# Altium PCB AIM2 REVB.PcbDoc (part 2 of 4)
Units mil, origin at the board's own origin, x right, y up, seen from the top; angles counter-clockwise.
Board outline 3797.01 x 3628.62 mil, 8 copper layers (TOP Copper, Internal Plane 2, Inner Layer 1, Internal Plane 4, Internal Plane 3, Inner Layer 2, Internal Plane 1, BOT Copper), stack 61.4 mil thick; 240 components, 185 nets, 1122 pads, 620 vias.
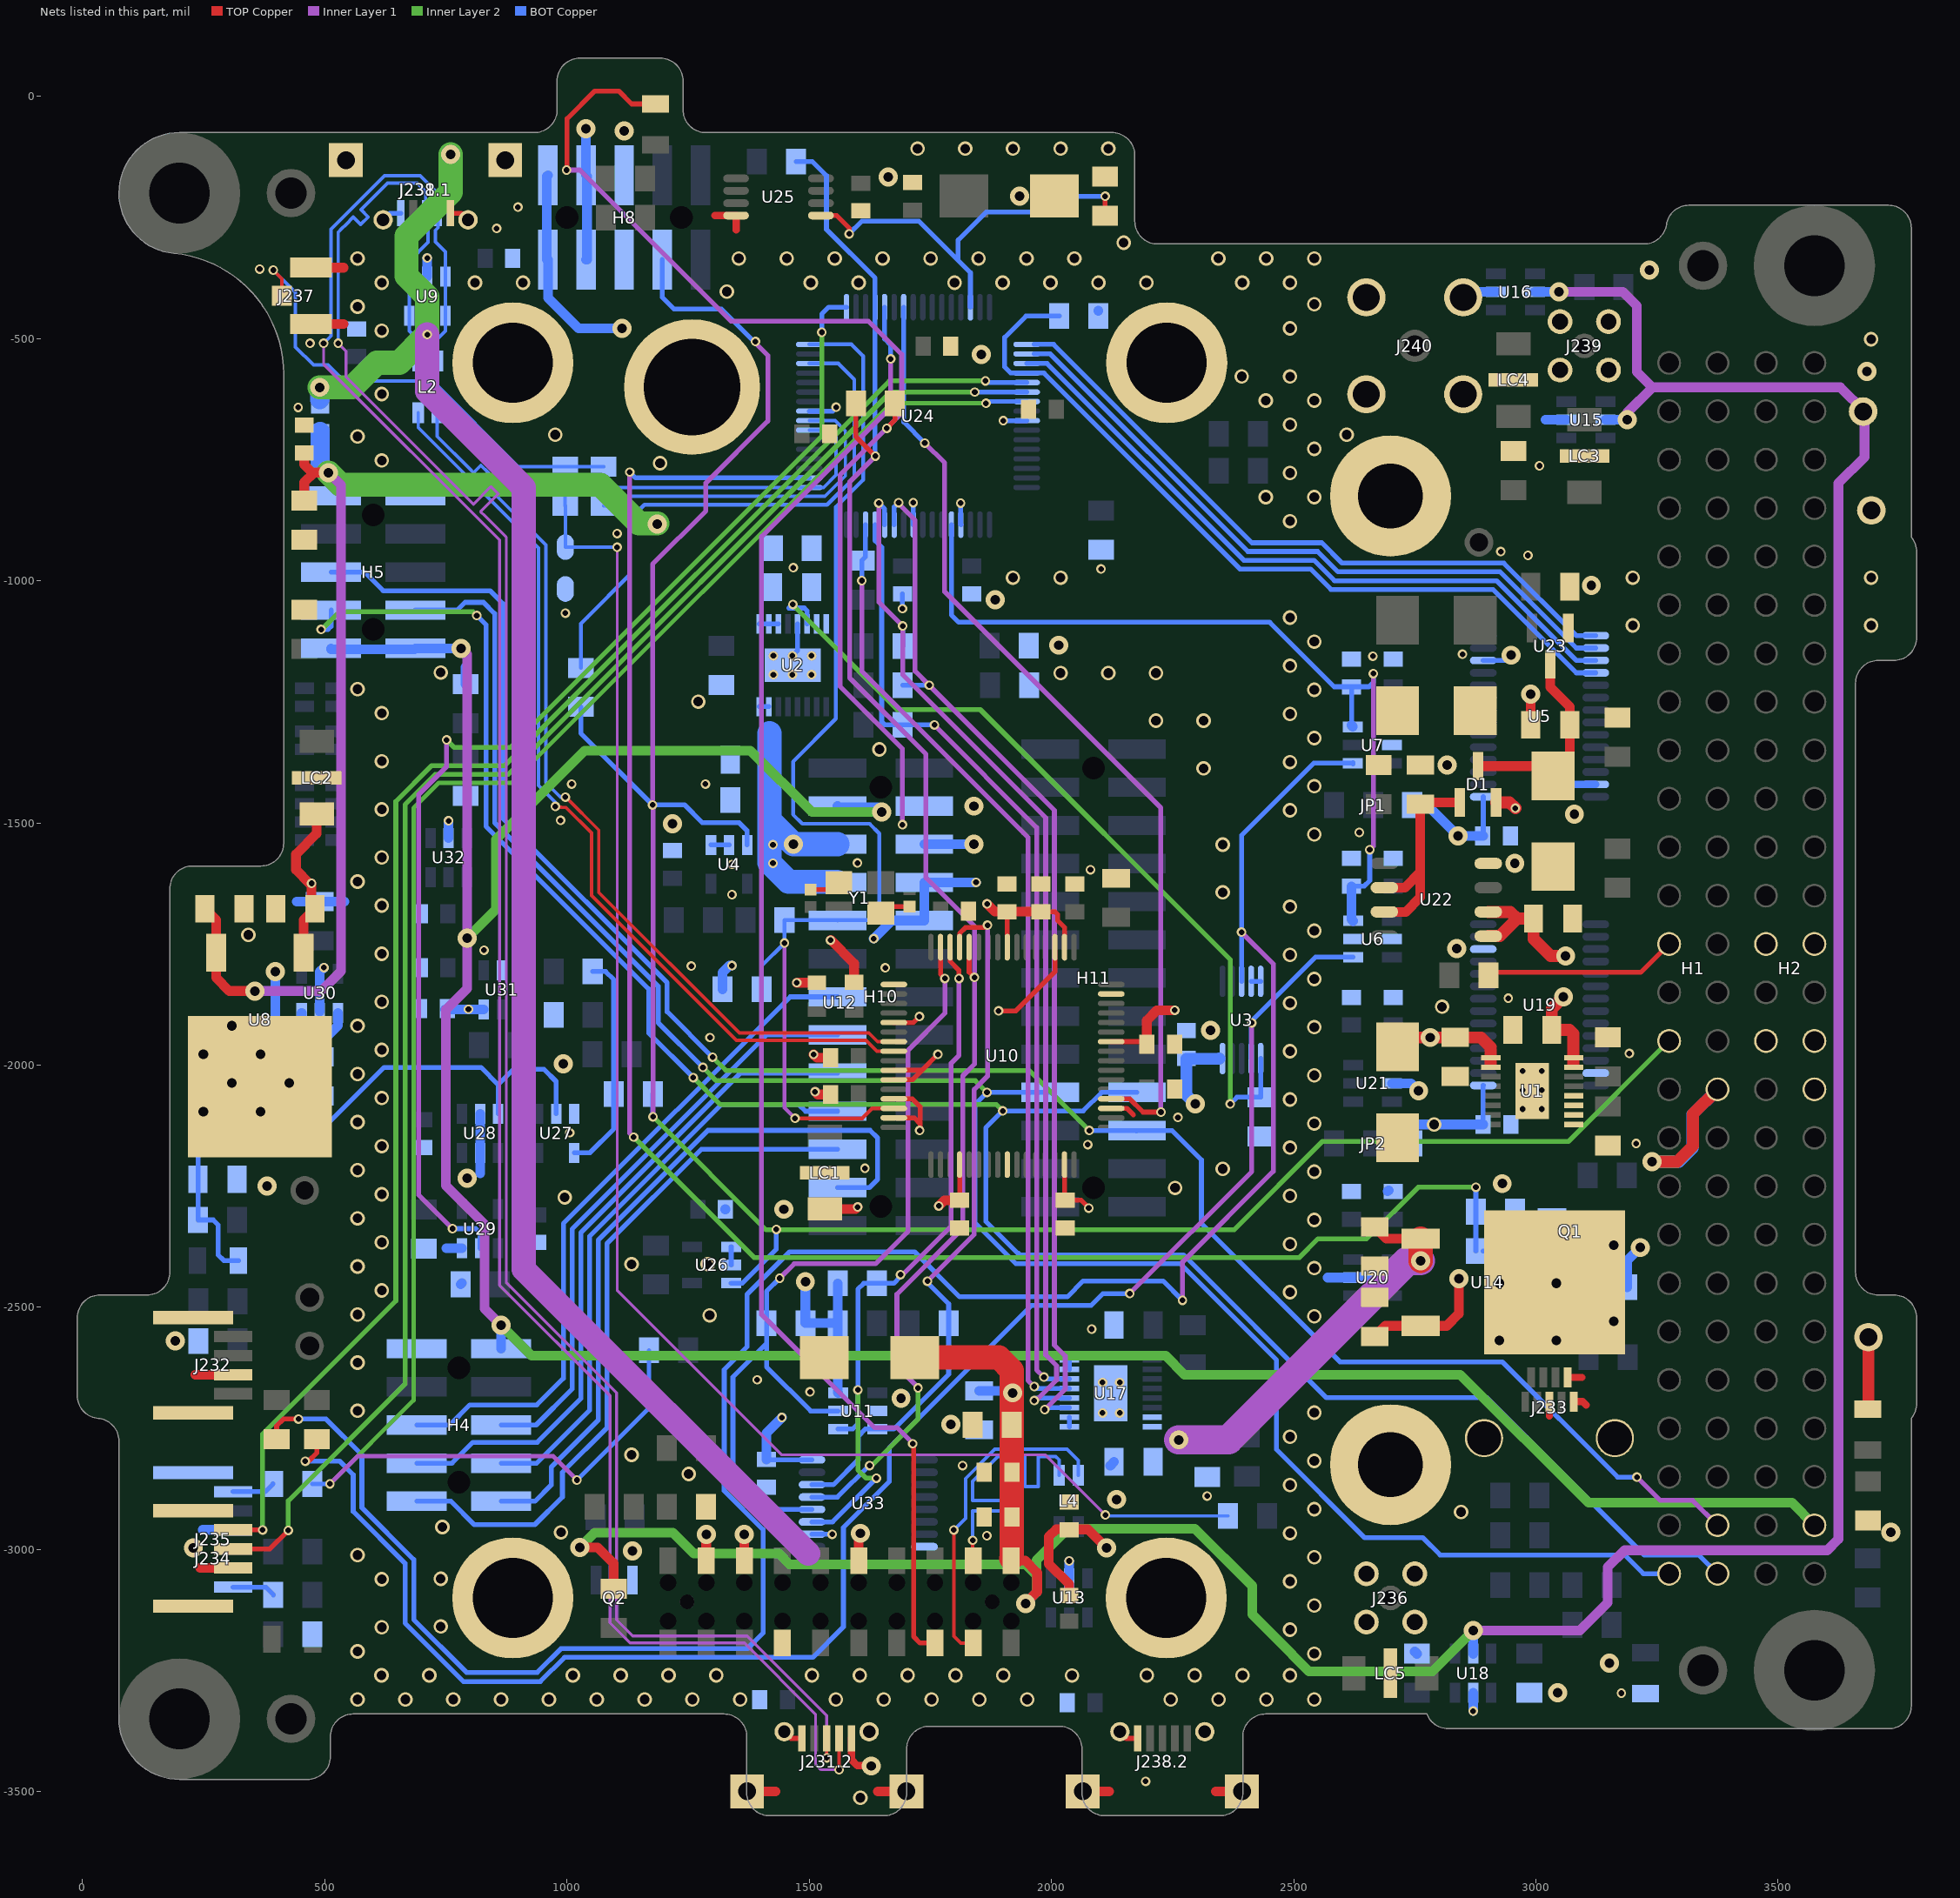
[diagram p8: the nets of this part, all layers, seen from the top]

## Via types
v1: diameter 19.68, hole 11.81, TOP Copper to BOT Copper, tented both sides, 337 vias
v2: diameter 30, hole 20, TOP Copper to BOT Copper, tented bottom, 144 vias
v3: diameter 39.37, hole 19.68, TOP Copper to BOT Copper, tented both sides, 83 vias
v4: diameter 30, hole 20, TOP Copper to BOT Copper, tented both sides, 56 vias

## Nets (pads, with @x,y where several pads share a name; then routed paths per layer and width w, separated by ;. In a path a pad name is that pad's centre, name@x,y a point inside that pad or via, vN(x,y) a via of type N, cw(c..) or ccw(c..) an arc to the next point about the centre after c; other vN are vias at no path point)
3V3_ADCS_USB: C14.2 C20.2 C21.2 C22.2 C23.2 C26.2 C28.2 C63.2 LC1.1 LC2.1 LED6.2 R26.2 R27.2 R28.1 R79.2 R82.2 U8.1 U10.20 U10.31 U10.42 U10.50 U10.56 U11.6 U33.10 U33.16 | length 4142.8
  TOP Copper w10: v1@1000.08,-152 1000.08,-45.92 1057,11 1107,11 1133.5,-15.5 LED6.2@1182.5,-15.5 ; v1(1660,-685) 1676.86,-668.14 R79.2@1676.86,-633.62 ; U10.20@1810.39,-2205.44 1810.39,-2279.16 C26.2@1810.5,-2279.27 ; C22.2@1908.5,-1683.2 1908.82,-1683.2 U10.56@1908.82,-1756.62 ; C23.2@1978.5,-1683.2 2007.08,-1683.2 2012.5,-1688.62 2012.5,-1700.98 2026.93,-1715.41 U10.50@2026.93,-1756.62 ; U10.31@2026.93,-2205.44 2026.93,-2283.69 C20.2@2031.58,-2279.05 ; C20.2@2028.5,-2279.05 C20.2@2031.58,-2279.05 ; C20.2@2032,-2278.62 C20.2@2031.58,-2279.05 ; v1(2077,-2295) 2077,-2294.58 2061.46,-2279.05 C20.2@2031.58,-2279.05 ; U10.42@2123.39,-1951.5 2196.93,-1951.5 C21.2@2202.27,-1951.5
  TOP Copper w20: U8.1@456,-1768 456,-1700.35 C14.2@479.35,-1677 472.5,-1670.15 v1(472.5,-1624.62) 468.13,-1624.62 440.5,-1597 440.5,-1564.62 483.32,-1521.81 LC2.1@483.32,-1481.62 ; LC1.1@1532,-2297 1596,-2297 v1(1600,-2293) ; v1(1767.5,-2290.62) 1778.97,-2279.16 C26.2@1810.39,-2279.16 ; v1(1867,-1667) 1883.2,-1683.2 C22.2@1908.5,-1683.2 ; C22.2@1908.82,-1683.2 C23.2@1978.5,-1683.2 ; C21.2@2196.93,-1956.62 2196.93,-1951.5 2196.93,-1907.2 2217.5,-1886.62 v1(2254.5,-1886.62)
  Inner Layer 1 w10: v1(999,-152) 1026.38,-152 1338.53,-464.16 1622.46,-464.16 1690.84,-532.54 1690.84,-654.28 1563.5,-781.62 1563.5,-1218.08 1692.5,-1347.08 v1@1692.5,-1502.62
  BOT Copper w10: C63.2@1411.5,-2814.05 1412.51,-2815.05 U33.16@1505.72,-2815.05 ; U33.10@1505.72,-2968.6 v1(1547.48,-2968.6)
  BOT Copper w20: R82.2@1321.15,-1843.62 1321.15,-1808.98 1335.5,-1794.62 v1(1340.5,-1794.62) ; C63.2@1411.5,-2814.05 1411.5,-2759.62 v1(1443.5,-2727.62) ; v3(1492,-2447) 1492,-2532.12 R26.2@1492.5,-2532.62 R28.1@1559.15,-2532.62 ; R27.2@1559.15,-2450.62 R28.1@1559.15,-2532.62 ; U11.6@1559.5,-2676.62 1558.65,-2675.77 C28.2@1558.65,-2606.62 1558.65,-2533.12 R28.1@1559.15,-2532.62
  other v1: 1692.5,-1503.62
3V3_GPS: C31.1 C32.2 C33.2 C39.2 R31.2 R32.2 TP42.1 U12.2 U15.5 U16.5 U17.9 U17.10 U17.15 U17.16 U18.5 | length 7466.7
  TOP Copper w20: v3(1026.5,-2995.62) 1063.5,-2995.62 1096.5,-3028.62 R32.2@1096.5,-3080.84 ; U12.2@1916.92,-3023.06 1945.94,-3023.06 1970.5,-3047.62 1970.5,-3087.62 v3(1946.5,-3111.62)
  TOP Copper w50: C31.1@1715,-2603.62 C31.1@1718.01,-2603.62 1891.5,-2603.62 1918.26,-2630.38 R31.2@1918.26,-2742.62 ; U12.2@1916.92,-3018.68 1917.86,-3017.75 R31.2@1917.86,-2742.62
  Inner Layer 1 w20: v3(2870.5,-3167.62) 3090.5,-3167.62 3148.5,-3109.62 3148.5,-3036.62 3183.5,-3001.62 3601.5,-3001.62 3624.5,-2978.62 3624.5,-798.62 3678.5,-744.62 3678.5,-650.62 3628.5,-600.62 3240.5,-600.62 ; v3(3047.5,-403.62) 3179.5,-403.62 3208.5,-432.62 3208.5,-568.62 3240.5,-600.62 ; v3(3188.5,-667.62) 3188.5,-652.62 3240.5,-600.62
  Inner Layer 2 w20: v3(1026.5,-2995.62) 1056.79,-2965.34 1218.22,-2965.34 1261.5,-3008.62 1437.5,-3008.62 1459.5,-3030.62 1946.5,-3030.62 1969.5,-3053.62 ; v3(1946.5,-3111.62) 1969.5,-3088.62 1969.5,-3053.62 ; v3(2870.5,-3167.62) 2786.5,-3251.62 2531.5,-3251.62 2497.5,-3217.62 2497.5,-3217.04 2414.5,-3134.04 2414.5,-3075.27 2296.23,-2957 2034.13,-2957 1969.5,-3021.62 1969.5,-3053.62
  BOT Copper w10: U17.9@2037.07,-2746.52 U17.10@2037.07,-2726.83 ; U17.15@2037.07,-2628.41 U17.16@2037.07,-2608.72
  BOT Copper w20: C39.2@1850.5,-2672.27 1915.15,-2672.27 v3(1919.5,-2676.62) ; U18.5@2870.5,-3215.27 v3(2870.5,-3167.62) ; U16.5@2997.86,-403.62 v3(3047.5,-403.62) ; U15.5@3143.86,-667.62 v3(3188.5,-667.62)
3V3_GPS_USB: C36.2 C37.2 U14.1 U17.7 U17.8 | length 803
  TOP Copper w20: C36.2@2667.5,-2334.27 2691.24,-2358 U14.1@2762,-2358
  TOP Copper w50: v3(2762,-2404.13) U14.1@2762,-2358
  Inner Layer 1 w60: v3(2262.5,-2773.62) 2365.38,-2773.62 2734.87,-2404.13 v3(2762,-2404.13)
5V_IN: C47.1 C50.2 D1.3 U23.3 | length 424.9
  TOP Copper w20: D1.3@2880.5,-1382.62 3015.01,-1382.62 C47.1@3035.5,-1403.12 3069.86,-1368.76 C50.2@3069.86,-1297.22 3069.86,-1259.98 3029.5,-1219.62 U23.3@3029.5,-1172.62
5V_LIM: C46.2 D1.1 U22.6 U22.7 | length 450
  TOP Copper w20: U22.7@2687.22,-1683.62 2731.5,-1683.62 2761.5,-1653.62 2761.5,-1601.62 ; U22.6@2687.22,-1633.62 2729.5,-1633.62 2761.5,-1601.62 ; D1.1@2843.1,-1457.42 2765.06,-1457.42 C46.2@2761.5,-1460.98 2761.5,-1601.62
+3.3V_ADCS: H2.50 H4.1 H5.1 H5.2 H10.4 | length 5921.7
  Inner Layer 1 w20: v3(781.5,-1139.62) 793.5,-1151.62 v3(793.5,-1737.62) 793.5,-1841.62 749.5,-1885.62 749.5,-2248.5 830,-2329 830,-2503.12 v3(864,-2537.12)
  Inner Layer 2 w20: v3(793.5,-1737.62) 853,-1678.13 853,-1533.94 1036.32,-1350.62 1378.62,-1350.62 1505.62,-1477.62 v3(1649.5,-1477.62) ; v3(864,-2537.12) 926.88,-2600 2235.88,-2600 2274.88,-2639 2843.88,-2639 3108.5,-2903.62 3528.62,-2903.62 H2.50@3575,-2950
  BOT Copper w20: H5.1@513,-1139.48 513,-1141.54 684.94,-1141.54 H5.2@687,-1139.48 v3@783.36,-1139.48 ; H4.1@864,-2585.52 v3(864,-2537.12) ; H10.4@1558.5,-1465.3 1558.5,-1467.35 1641.24,-1467.35 v3@1649.5,-1475.62
+5V_ADCS_USB: C2.2 C4.2 C13.2 L1.1 R8.2 R13.2 R76.2 U2.1 U2.2 U2.3 U2.6 U3.6 U8.3 | length 4198.1
  TOP Copper w20: C13.2@252.65,-1677 275.69,-1700.04 U8.3@275.69,-1768 275.69,-1819.68 303,-1847 v3(356,-1847) ; R76.2@457.5,-834.27 457.5,-796.62 477.5,-776.62 ; C2.2@457.5,-736.2 457.5,-759.62 474.5,-776.62 477.5,-776.62 ; v3(507.5,-776.62) 477.5,-776.62
  Inner Layer 1 w20: v3(356,-1847) 492.13,-1847 533.35,-1805.78 533.35,-802.46 v3(507.5,-776.62)
  Inner Layer 2 w10: v1@1467.94,-1047.06 1467.94,-1051.94 1682,-1266 1852.93,-1266 2369,-1782.07 v1(2369,-2080.13)
  Inner Layer 2 w50: v3(507.5,-776.62) 532.5,-801.62 1068.5,-801.62 1148.45,-881.57 v3@1186.05,-881.57
  BOT Copper w10: U2.1@1396.94,-1089.13 U2.2@1416.63,-1089.13 U2.3@1436.31,-1089.13 ; 1458,-1056.25 1489.71,-1056.25 1495.37,-1061.91 U2.6@1495.37,-1089.13 ; v1(2369,-2080.13) 2382.86,-2066.27 R13.2@2431.5,-2066.27 2431.87,-2065.9 U3.6@2431.87,-1986.35
  BOT Copper w40: L1.1@490.5,-692.2 490.5,-759.4 v3@506.97,-775.87
  other v1: 1466,-1049
  other v3: 1186.5,-882.62
+5V_SW: C3.2 C5.2 C7.2 C27.1 H10.6 H10.8 LED5.2 R2.2 TP60.1 U1.9 U1.10 U2.15 U2.16 U3.10 | length 1166.9
  TOP Copper w25: C27.1@2714.5,-1962.58 2734.08,-1943 v3(2782,-1943) 2887,-1943 2907,-1963 2907,-1997.57 ; LED5.2@3686.5,-2710.62 TP60.1@3686.5,-2561.62
  BOT Copper w10: U2.16@1396.94,-1260 U2.15@1416.63,-1260
  BOT Copper w25: H10.8@1557.34,-1621.62 H10.8@1558.5,-1622.78 ; v3(2297,-2080) 2278.5,-2061.5 2278.5,-1986.98 2345.94,-1986.98 2346.57,-1986.35
  BOT Copper w50: 1417.86,-1315 C5.2@1417.86,-1369.62 R2.2@1417.86,-1452.62 1417.86,-1494.39 ; H10.8@1557.34,-1621.62 1457.5,-1621.62 1417.86,-1581.98 1417.86,-1494.39 ; H10.6@1558.5,-1544.04 v3(1467.5,-1544.04) 1417.86,-1494.39
  other v1: 1425,-1583 1425,-1545
+5V_SYS: C1.2 C12.2 C44.2 C45.2 C66.2 C67.1 H2.25 H2.26 H8.1 H8.2 JP1.3 JP2.3 R1.2 U1.7 U1.8 U5.1 U19.1 U22.1 U22.2 U30.1 U30.3 U31.6 | length 2051.8
  TOP Copper w25: U22.1@2901.79,-1733.62 2925.5,-1733.62 2961.5,-1697.62 ; U22.2@2901.79,-1683.62 2947.5,-1683.62 2961.5,-1697.62 ; v3(3057,-1859) 3032.86,-1883.14 C1.2@3032.86,-1927 3069,-1927 3077,-1935 3077,-1997.57 ; v3(3061.5,-1774.62) 3030.5,-1774.62 2995.15,-1739.27 C45.2@2995.15,-1697.62 2961.5,-1697.62
  BOT Copper w10: C44.2@2891.15,-2122.62 2891.15,-2042.17 U19.1@2891.36,-2041.96 ; C12.2@2891.15,-1526.62 2891.36,-1526.41 U5.1@2891.36,-1445.96
  BOT Copper w20: v3@397.5,-1803.62 v3(397.5,-1806.62) 397.5,-1951.62 429.15,-1983.27 C67.1@489.5,-1983.27 ; U30.3@452.1,-1891.98 452.1,-1918.22 489.5,-1955.62 ; C67.1@493.44,-1983.27 C67.1@489.5,-1983.27 ; U30.1@526.91,-1891.98 526.91,-1918.22 489.5,-1955.62 ; C66.2@748.5,-1885.33 748.86,-1884.98 U31.6@828.1,-1884.98 ; H8.1@960.52,-163 958.46,-165.06 958.46,-337 H8.2@960.52,-337 960.52,-415.64 1023.5,-478.62 v3(1113.5,-478.62) ; JP2.3@2744.21,-2161.62 JP2.3@2744.57,-2161.62 2744.57,-2131.43 2753.38,-2122.62 v4(2790,-2122.62) C44.2@2890.93,-2122.62 C44.2@2891.15,-2122.62 ; JP1.3@2744.21,-1463.09 JP1.3@2744.57,-1463.09 2775.97,-1463.09 v3(2839.5,-1526.62) C12.2@2889.93,-1526.62 C12.2@2891.15,-1526.62 ; R1.2@3188.86,-2458.62 3188.86,-2403.27 v3(3215.5,-2376.62) v3@3216.5,-2375.62 ; C67.1@489.5,-1983.27 489.5,-1955.62
  other v1: 796.5,-1884.62
  other v3: 3151.5,-3234.62 3683.5,-567.62 3234.5,-358.62
+5V_USB: C34.2 C35.2 D1.2 H1.32 H8.3 H8.4 L3.1 U14.3 | length 1337.8
  TOP Copper w20: L3.1@2036.5,-3094.62 2036.5,-3071.62 1994.5,-3029.62 1994.5,-2973.62 2010.15,-2957.98 2055.5,-2957.98 2055.99,-2958.46 2075.35,-2958.46 v3(2113.5,-2996.62) ; C35.2@2667.5,-2559.98 2689.17,-2538.32 U14.3@2762,-2538.32 2815.81,-2538.32 2841,-2513.13 v3(2841,-2441)
  TOP Copper w25: D1.2@2917.91,-1457.42 2945.31,-1457.42 v1(2957.5,-1469.62) ; v3(3239.5,-2199.62) 3291.5,-2199.62 3324.5,-2166.62 3324.5,-2100.5 H1.32@3375,-2050
  BOT Copper w20: H8.4@1039.26,-337 1041.32,-337 1041.32,-165.06 H8.3@1039.26,-163 v3(1039.26,-66.38)
  BOT Copper w25: v3(3239.5,-2199.62) 3295.5,-2199.62 3323.5,-2171.62 3323.5,-2101.5 H1.32@3375,-2050
-FAULT: H1.25 R50.1 | length 399.9
  TOP Copper w10: R50.1@2901.86,-1814.62 2907.98,-1808.5 3216.5,-1808.5 H1.25@3275,-1750
-FORCE_RESET: R63.1 U24.46 | length 1156.6
  BOT Copper w8: R63.1@1028.5,-1179.79 1028.5,-1088.62 1040.98,-1076.15 1128.5,-988.62 1128.5,-874.62 1159.87,-843.26 1536.87,-843.26 1593,-787.13 1593,-584.52 1559.83,-551.35 U24.46@1500.09,-551.35
-FTDI_PWREN: R30.1 R79.1 U10.60 U24.52 U33.13 | length 3374.5
  TOP Copper w10: R79.1@1596.15,-633.62 1596.15,-702.27 v1(1636.5,-742.62) ; U10.60@1830.08,-1756.62 1830.08,-1808.08 v1(1841,-1819)
  Inner Layer 1 w10: v1(1636.5,-742.62) 1583.5,-795.62 1583.5,-1200.5 1741,-1358 1741,-1613 1841,-1713 v1(1841,-1819) 1841,-1998 1817,-2022 1817,-2336.98 1681,-2472.98 1681,-2622.12 v1@1724.5,-2665.62
  Inner Layer 2 w10: v1(1624.5,-2826.62) 1628.81,-2826.62 1724.5,-2730.93 v1(1724.5,-2666.62) v1@1724.5,-2665.62
  BOT Copper w10: R30.1@1472.86,-134.62 1506.5,-134.62 1535.5,-163.62 1535.5,-274.62 1635.92,-375.04 U24.52@1635.92,-435.21 v1@1635.92,-742.62 ; U33.13@1505.72,-2891.83 1558.3,-2891.83 1623.5,-2826.62 v1(1624.5,-2826.62)
-FTDI_SUSPEND: U10.36 U24.55 | length 1995.7
  TOP Copper w10: U10.36@2123.39,-2069.61 2161.5,-2069.61 2188.88,-2097 v1(2226,-2097)
  Inner Layer 1 w10: v1(1738.5,-715.62) 1779.5,-756.62 1779.5,-1022.62 2225.5,-1468.62 2225.5,-2096.5 v1(2226,-2097)
  BOT Copper w10: U24.55@1694.98,-435.21 1694.98,-672.09 v1(1738.5,-715.62)
-GPS_RESET: U12.5 U24.53 | length 3065.9
  TOP Copper w10: v1@1715.5,-2781.62 1715.5,-3179.62 1728.94,-3193.06 U12.5@1759.52,-3193.06
  Inner Layer 1 w10: v1(1668,-542) 1668,-642.49 1401.5,-908.99 1401.5,-2514.93 1635.2,-2748.62 1681.5,-2748.62 1713.5,-2780.62 v1(1713.5,-2781.62)
  BOT Copper w10: U24.53@1655.61,-435.21 1655.61,-500.72 1668,-513.12 v1(1668,-542)
-MCLR: J235.6 R58.1 | length 89.2
  BOT Copper w10: J235.6@310.68,-2880.78 376.99,-2880.78 R58.1@393.15,-2864.62
-RESET: H1.29 H8.8 R63.2 R68.2 U4.3 U26.3 | length 5090.4
  Inner Layer 1 w10: v1(1177.5,-2106.62) 1177.5,-1463.62 v1(1176.5,-1462.62) 1176.5,-965.71 1286.5,-855.71 1286.5,-798.17 1414.5,-670.17 1414.5,-534.62 1389,-509.12 v1(1389,-506)
  Inner Layer 2 w10: v1@1180.5,-2109.62 1410.88,-2340 2377.13,-2340 2559.5,-2157.62 3067.38,-2157.62 H1.29@3275,-1950
  BOT Copper w10: R63.2@1028.5,-1260.5 1028.5,-1314.62 v1(1176.5,-1462.62) 1242.5,-1462.62 1279.5,-1499.62 1355.5,-1499.62 1371.5,-1515.62 1371.5,-1545.27 U4.3@1371.91,-1545.27 ; R68.2@1176.86,-2059.62 1176.86,-2105.98 v1(1177.5,-2106.62) ; H8.8@1196.74,-337 1196.74,-414.86 1220.5,-438.62 1318.5,-438.62 1385.88,-506 v1(1389,-506) ; U26.3@1338.86,-2450.02 1362.1,-2450.02 1432,-2380.13 v1(1432,-2339)
-RST: R58.2 R62.2 U24.7 | length 3999
  Inner Layer 1 w9: v1(510.5,-2864.62) 567.5,-2807.62 971.5,-2807.62 v1(1020.5,-2856.62)
  Inner Layer 2 w9: v1(510.5,-2864.62) 683.05,-2692.08 683.05,-1469.35 735.4,-1417 886.13,-1417 1669.72,-633.41 v1(1864.72,-633.41)
  BOT Copper w9: R58.2@473.86,-2864.62 v1(510.5,-2864.62) ; v1(1020.5,-2856.62) 1169.15,-2707.98 R62.2@1169.15,-2588.62 ; v1@1864.72,-630.09 U24.7@1948.91,-630.09
-RST0: H10.10 R12.2 R82.1 U10.14 U24.48 | length 2419.4
  TOP Copper w8: v1(1470.5,-2109.62) 1609.38,-2109.62 1629.7,-2089.3 U10.14@1674.57,-2089.3
  Inner Layer 1 w8: v1(1448.86,-1747.98) 1448.86,-2087.98 v1(1470.5,-2109.62)
  BOT Copper w8: R82.1@1401.86,-1830.62 1401.86,-1794.98 v1(1448.86,-1747.98) R12.2@1448.86,-1700.62 H10.10@1557.6,-1700.62 ; U24.48@1500.09,-511.98 1586.98,-511.98 1611,-536 1611,-791.76 1555,-847.76 1555,-1285 1466.5,-1373.5 1466.5,-1482.62 1485.5,-1501.62 1624.5,-1501.62 1644.5,-1521.62 1644.5,-1682.62 1626.5,-1700.62 H10.10@1557.6,-1700.62 ; H10.10@1558.5,-1701.52 H10.10@1557.6,-1700.62
-RST_PIC: J235.1 R75.2 | length 90.1
  BOT Copper w10: J235.1@310.68,-3077.63 378.16,-3077.63 R75.2@394.15,-3093.62
-RST_WDT: R68.1 R74.1 U27.4 | length 460.4
  BOT Copper w10: U27.4@1014.91,-2180.98 1047.15,-2180.98 1096.15,-2131.98 R68.1@1096.15,-2059.62 1096.15,-1823.27 1079.5,-1806.62 R74.1@1052.86,-1806.62
-SS0: H1.52 H5.3 H11.19 | length 4550.4
  Inner Layer 2 w10: v1@492.5,-1101.62 530.44,-1063.68 805.57,-1063.68 v1(813.5,-1071.62) ; v1(1260.5,-2025.62) 1316.5,-2081.62 1886.5,-2081.62 v1(1899.5,-2094.62)
  BOT Copper w10: v1(492.5,-1100.62) 506.5,-1100.62 513,-1094.13 H5.3@513,-1060.74 ; v1(813.5,-1071.62) 832.57,-1090.68 832.57,-1506.81 1168.5,-1842.75 1168.5,-1933.62 v1(1260.5,-2025.62) ; H11.19@2176.5,-2056.22 2103.91,-2056.22 2065.5,-2094.62 v1(1899.5,-2094.62) 1864.5,-2129.62 1864.5,-2322.48 1930.64,-2388.62 1931.59,-2388.62 1934.59,-2391.62 2272.68,-2391.62 2567.63,-2686.57 2899.05,-2686.57 3224.1,-3011.62 3336.62,-3011.62 H1.52@3375,-3050
-STAT1_3V3: R39.1 U17.14 U24.29 | length 2018.1
  Inner Layer 1 w10: v1@1758,-1298.12 1969.5,-1509.62 1969.5,-2629.09 v1(1984.5,-2644.09)
  BOT Copper w10: U24.29@1635.92,-884.03 1635.92,-917.04 1649.5,-930.62 1649.5,-1290.62 1656.5,-1297.62 R39.1@1692.86,-1297.62 v1(1758.5,-1297.62) ; v1(1984.5,-2644.09) 1988.5,-2648.09 U17.14@2037.07,-2648.09
-STAT2_3V3: R40.1 U17.11 U24.27 | length 2189.3
  Inner Layer 1 w10: v1(1684.5,-838.62) 1684.5,-840.93 1718.5,-874.93 1718.5,-1186.62 v1(1747.5,-1215.62) 2006.05,-1474.17 2006.05,-2578.17 2028.5,-2600.62 2028.5,-2668.62 v1(1985.98,-2711.15)
  BOT Copper w10: U24.27@1675.29,-884.03 1675.5,-883.82 1675.5,-847.62 v1(1684.5,-838.62) ; R40.1@1692.86,-1215.62 v1(1747.5,-1215.62) ; v1(1985.98,-2711.15) 1989.98,-2707.15 U17.11@2037.07,-2707.15
-WARN1_3V3: R41.1 U17.13 U24.30 | length 2004.5
  Inner Layer 1 w10: v1(1608.5,-999.62) 1608.5,-1186.62 1951.5,-1529.62 1951.5,-2650.62 v1(1964.5,-2663.62)
  BOT Copper w10: v1(1608.5,-999.62) R41.1@1608.5,-958.27 1616.24,-950.53 U24.30@1616.24,-884.03 ; v1(1964.5,-2663.62) 1968.66,-2667.78 U17.13@2037.07,-2667.78
-WARN2_3V3: R42.1 U17.12 U24.28 | length 2199.8
  Inner Layer 1 w10: v1(1643.5,-839.62) 1643.5,-1043.91 v1(1692.86,-1093.27) ; v1@1692.86,-1089.27 v1(1692.86,-1093.27) ; v1(1964.5,-2692.62) 1968.28,-2692.62 2010.5,-2650.4 2010.5,-2620.62 1988.05,-2598.17 1988.05,-1489.17 1692.86,-1193.98 v1(1692.86,-1093.27)
  BOT Copper w10: v1(1643.5,-839.62) 1655.61,-851.72 U24.28@1655.61,-884.03 ; R42.1@1692.86,-1134.62 v1(1692.86,-1093.27) v1@1692.86,-1089.27 ; v1(1964.5,-2692.62) 1969.66,-2687.46 U17.12@2037.07,-2687.46
-WDT_FORCE: U24.49 U29.2 | length 2509.9
  Inner Layer 1 w10: v1(751.5,-1328.62) 751.5,-1383.5 694,-1441 694,-2268.12 v1(763.5,-2337.62)